# Altium PCB Lower.PcbDoc
Units mil, origin at the board's own origin, x right, y up, seen from the top; angles counter-clockwise.
Board outline 2362.2 x 1771.65 mil, 2 copper layers (Top Layer, Bottom Layer); 61 components, 58 nets, 189 pads, 107 vias.
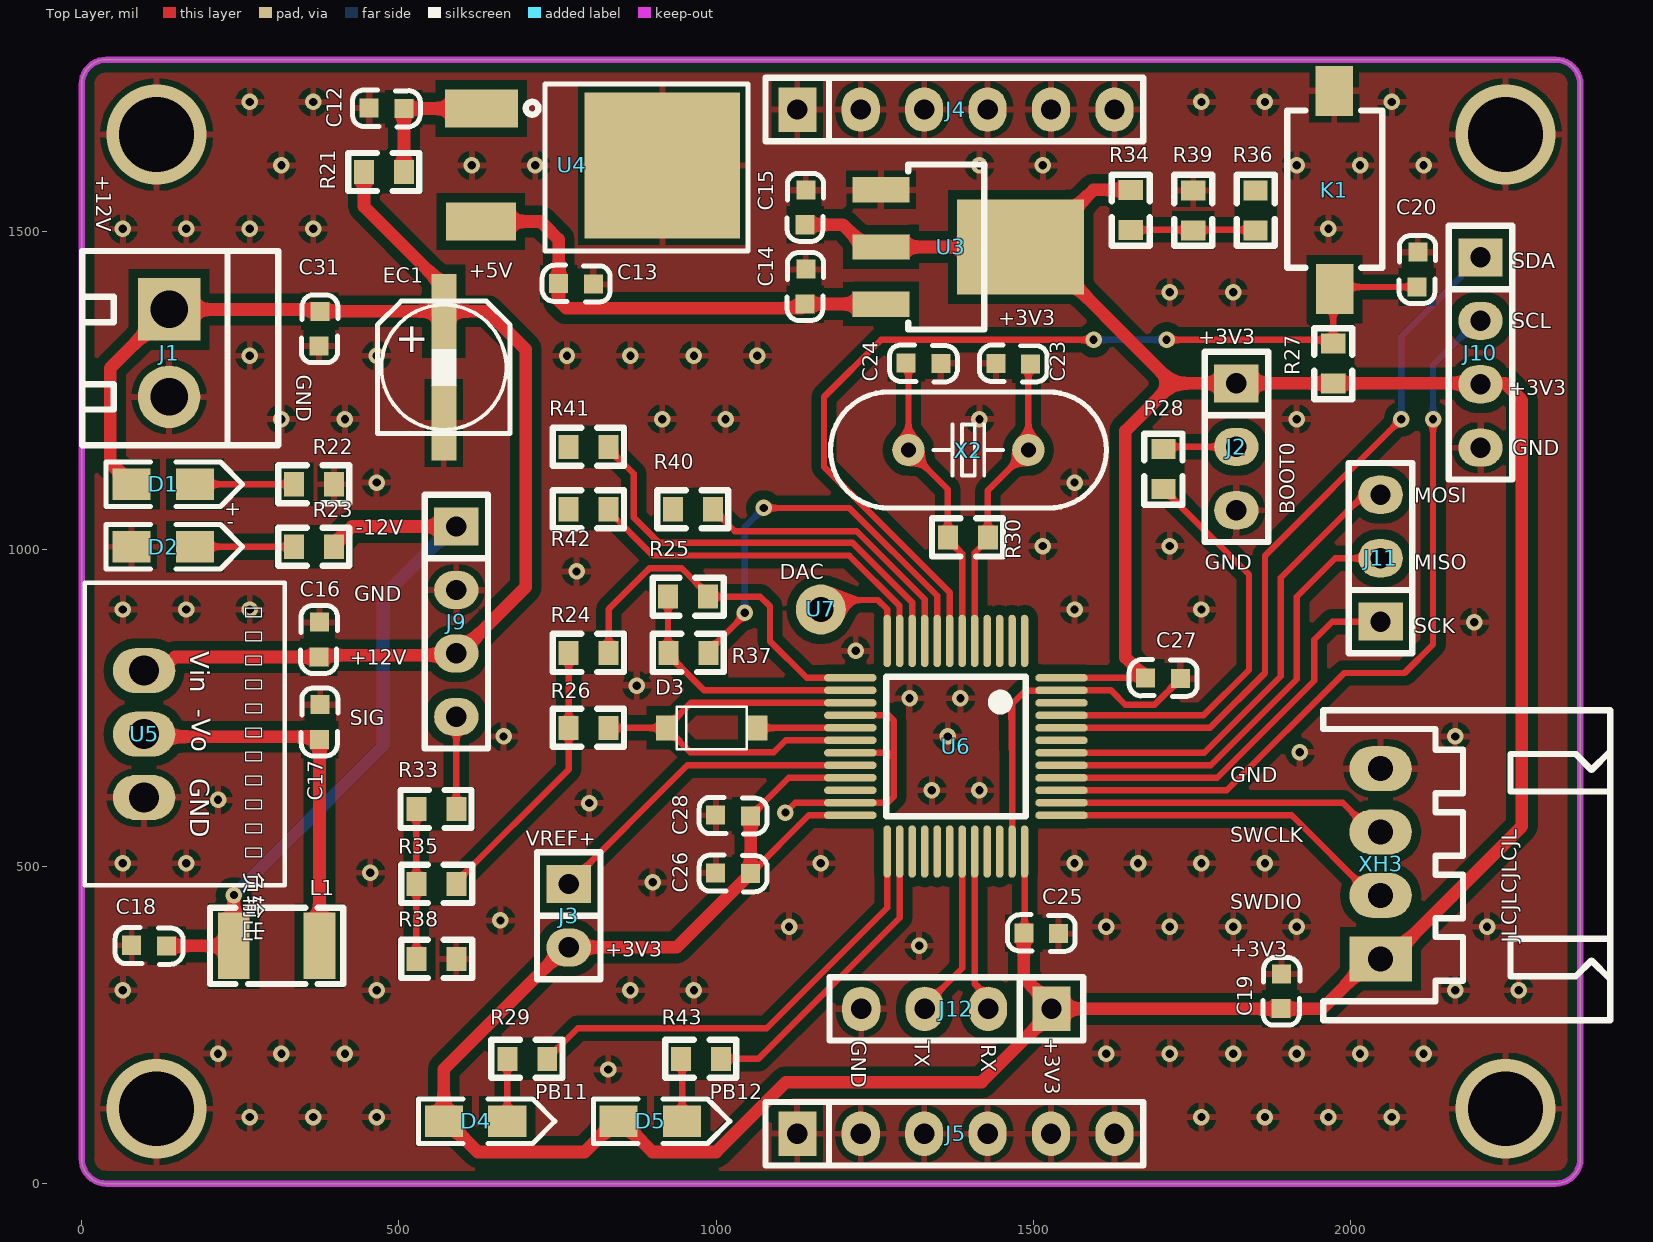
[diagram p0: Top Layer view]
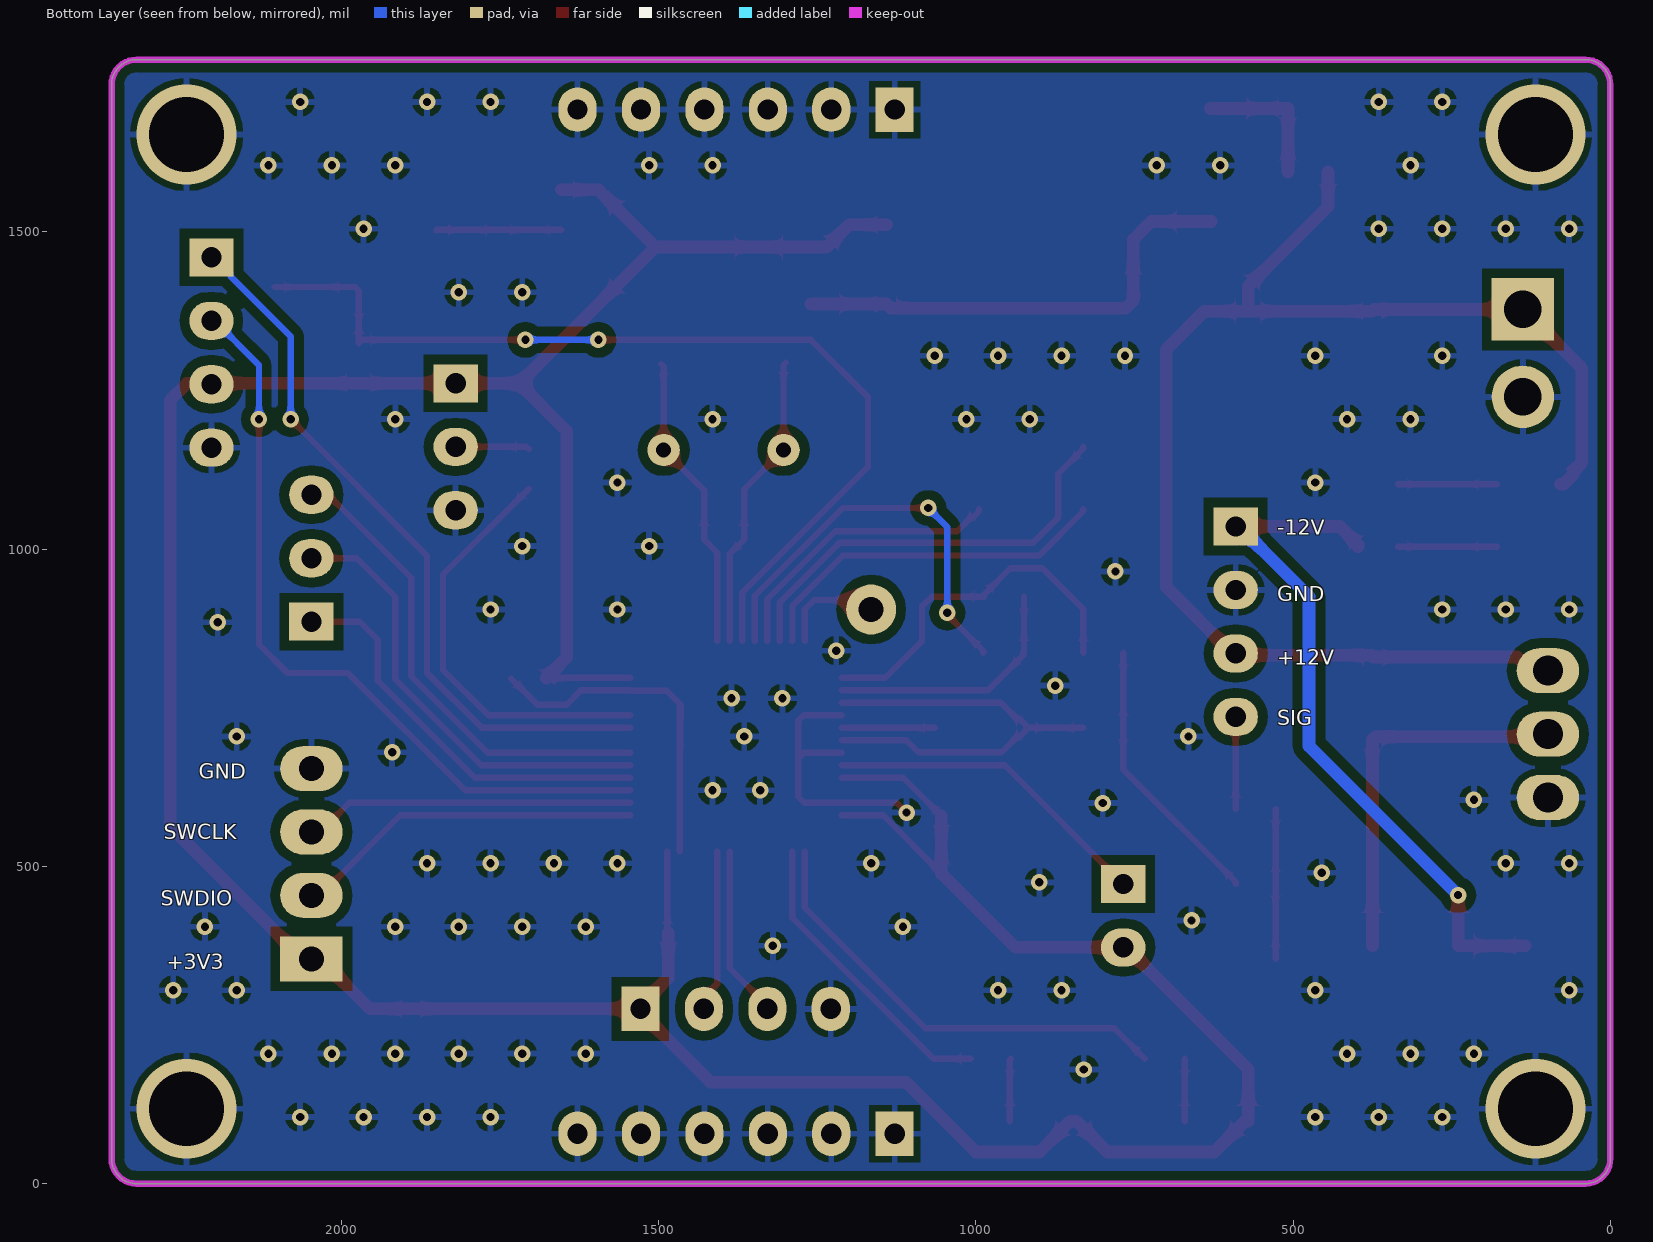
[diagram p1: Bottom Layer view, seen from below]

## Layer stack, top to bottom
Top Solder: solder mask 0.4, Solder Resist, Dk 3.5
Top Layer: signal copper 1.4
Dielectric 1: dielectric 12.6, FR-4, Dk 4.8
Bottom Layer: signal copper 1.4
Bottom Solder: solder mask 0.4, Solder Resist, Dk 3.5

## Board outline
0,39.37 0,1732.28 cw(c39.37,1732.28) 39.37,1771.65 2322.83,1771.65 cw(c2322.83,1732.28) 2362.2,1732.28 2362.2,39.37 cw(c2322.83,39.37) 2322.83,0 39.37,0 cw(c39.37,39.37)

## Design rules (kind name [scope] priority, off if disabled: settings)
Clearance Clearance_1 [All] p1: gap=15 ignorepadtopadclearanceinfootprint=TRUE except(0: Arc-Hole Track-Hole SMDPad-Hole THPad-Hole Via-Hole Fill-Hole Poly-Hole Region-Hole Text-Hole; 3.5: Arc-Arc Arc-Track Arc-SMDPad Arc-THPad Arc-Via Track-Track Track-SMDPad Track-THPad Track-Via; 10: Arc-Text Track-Text SMDPad-SMDPad SMDPad-THPad SMDPad-Via SMDPad-Text THPad-THPad THPad-Via THPad-Text Via-Via Via-Text Fill-Text Poly-Text Region-Text Text-Text)
Clearance [InComponent('U6')] p2: gap=3.5 ignorepadtopadclearanceinfootprint=TRUE
HoleSize [All] p1: absolutevalues=TRUE maxlimit=1181.1 minlimit=1 maxpercent=80.000 minpercent=20.000
PolygonConnect [All] p1: connectstyle=Relief reliefconductorwidth=10 reliefentries=4 polygonreliefangle="90 Angle" airgapwidth=10
RoutingVias [All] p1: holewidth=28 width=50 viastyle="Through Hole" minholewidth=11.81 minwidth=19.68 maxholewidth=1181.1 maxwidth=1968.5
SilkToSilkClearance [All] p1: silktosilkclearance=0
SilkToSolderMaskClearance [IsPad] p1: minsilkscreentomaskgap=0 clearancetoexposedcopper=TRUE
SolderMaskExpansion [All] p1: expansion=4 istentingtop=FALSE
Width [All] p1: maxlimit=100 minlimit=3 preferedwidth=10
27 further rules are at their usual default settings.

## Components (designator, comment, footprint, x,y, rotation, side; value= is the part's Value field where it differs from the comment)
C12 "0.33uF" 0603C 452.76,1695.91 r0 top
C13 "0.1uF" 0603C 807.09,1417.32 r180 top
C14 "10uF" 0603C 1141.73,1441.59 r270 top
C15 "10uF" 0603C 1141.73,1566.59 r270 top
C16 "10uF/50V" 0603C 375.35,885.21 r270 top
C17 "22uF/25V" 0603C 376.35,755.21 r270 top
C18 "22uF/25V" 0603C 78.74,376.16 r0 top
C19 "0.1uF" 0603C 1889.76,275.59 r90 top
C20 "1uF" 0603C 2106.3,1468.5 r270 top
C23 "22pF" 0603C 1496.06,1291.34 r180 top
C24 "22pF" 0603C 1299.21,1294.05 r0 top
C25 "1uF" 0603C 1540.21,393.7 r180 top
C26 "1uF" 0603C 999.2,490.35 r0 top
C27 "1uF" 0603C 1732.28,795.72 r180 top
C28 "1uF" 0603C 999.2,581.16 r0 top
C31 "0.1uF" 0603C 374.02,1319.79 r90 top
D1 "LEDR/0805" LED-0805R 78.74,1102.36 r0 top
D2 "LEDR/0805" LED-0805R 78.74,1003.94 r0 top
D3 "1N4148" SOD-123 1062.99,718.5 r180 top
D4 "LEDY/0805" LED-0805B 570.87,98.43 r0 top
D5 "LEDY/0805" LED-0805G 846.46,98.43 r0 top
EC1 "47uF" SMD-EC5.0X5.3X5.4 570.87,1375 r270 top
J1 "KF350-2P" KF350-2P 137.8,1377.95 r270 top locked
J2 "BOOT" "Pin HDR1X3/2.54mm-S" 1820,1261.42 r0 top
J3 "VREF" "Pin HDR1X2/2.54mm-S" 767.72,472.44 r0 top
J4 "Pin HDR1X6" "Pin HDR1X6/2.54mm-S" 1127.95,1692.91 r90 top locked
J5 "Pin HDR1X6" "Pin HDR1X6/2.54mm-S" 1127.95,78.74 r90 top locked
J9 "Pin HDR1X4" "Pin HDR1X4/2.54mm-S" 590.55,1035.83 r0 top locked
J10 "IIC_OLED" Fe-HDR1X4/2.54-S 2204.72,1460 r0 top
J11 "SPI" "Pin HDR1X3/2.54mm-S" 2047.24,885.83 r180 top
J12 "USART" Fe-HDR1X4/2.54-S 1528.74,275.59 r270 top
K1 "KEY" SMD-3X6X2.5 1975,1720 r270 top
L1 "INDUCTOR" 1210L 375.35,374.02 r180 top
R21 "30R" 0603R 444.98,1594.49 r0 top
R22 "20K" 0603R 334.65,1102.36 r0 top
R23 "20K" 0603R 334.65,1003.94 r0 top
R24 "75K" 0603R 767.72,836.61 r0 top
R25 "75K" 0603R 987.2,925.2 r180 top
R26 "75K" 0603R 767.72,718.5 r0 top
R27 "10K" 0603R 1972.59,1261.42 r90 top
R28 "10K" 0603R 1705,1095 r90 top
R29 "510R" 0603R 670.87,196.85 r0 top
R30 "1M" 0603R 1365.28,1018.58 r0 top
R33 "9K" 0603R 527.56,590.55 r0 top
R34 "1K" 0603R 1653.54,1503.39 r90 top
R35 "0R" 0603R 590.55,472.44 r180 top
R36 "0R" 0603R 1850.39,1565.39 r270 top
R37 "0R" 0603R 925.2,836.61 r0 top
R38 "1K" 0603R 590.55,354.33 r180 top
R39 "1K" 0603R 1751.97,1565.39 r270 top
R40 "0R" 0603R 932.01,1062.99 r0 top
R41 "0R" 0603R 767.72,1161.42 r0 top
R42 "0R" 0603R 767.72,1062.99 r0 top
R43 "510R" 0603R 944.88,196.85 r0 top
U3 "AMS1117" SOT223 1259.84,1476.38 r270 top
U4 "LM7805" TO252 630,1690 r270 top
U5 "K78xx-500R3  负输出" "K78xx-500R3 负输出" 98.43,708.66 r270 top locked
U6 "STM32G431CBT6" "LQFP48 7X7" 1377.95,688.98 r180 top
U7 "DAC" 通孔焊盘 1165,905 r0 top
X2 "8M" "OSC HC-49S" 1397.64,1156.38 r0 top
XH3 "SW" XH4/2.54mm/90 2047.24,354.33 r90 top

## Footprints (in the part's own frame and the unit in brackets; to place one, negate y for a bottom-side part, rotate by r counter-clockwise, add the part's x,y. Pads: shape width x height; smd on the part's side, far side on the other; paste and mask are expansions set on the pad)
0603C [mil]
  rect 30x30 smd: 1(0.21,-0.35) 2(55.21,-1.35)
  silkscreen extent -26,-30 81,28, body extent -1,-15 62,17, height 12
0603R [mm]
  rect 0.8x0.965 smd: 1(0,0) 2(1.6,0)
  silkscreen extent -0.64,-0.76 2.21,0.76, body extent -0.04,-0.41 1.56,0.41, height 0.45
1210L [mil] "小功率贴片电感"
  rect 50x105 smd: 1(0.49,-0.79) 2(135.49,-0.79)
  silkscreen extent -37,-61 173,59, body extent 0,-49 126,49, height 51
Fe-HDR1X4/2.54-S [mil]
  rect 70x60 hole 32: 1(0,0)
  oval 70x60 hole 32: 2(0,-100) 3(0,-200) 4(0,-300)
  silkscreen extent -50,-350 50,50, body extent -44,-355 54,55, height 335
"K78xx-500R3 负输出" [mm]
  oval 1.8x2.5 hole 1.2: 1(-2.54,0) 2(0,0) 3(2.54,0)
  silkscreen extent -6.05,-2.37 6.05,5.63, body extent -5.76,-2.25 5.84,5.3, height 10.16
KF350-2P [mm] "可拼接端子/10A"
  rect 2.5x2.5 hole 1.5: 1(0,0)
  round 2.5 hole 1.5: 2(3.5,0)
  silkscreen extent -2.34,-3.48 5.44,4.37, body extent -2.15,-3.34 5.25,4.16, height 10
LED-0805B [mil]
  rect 60x50 smd: A(0,0) K(100,0)
  silkscreen extent -40,-35 175,35, body extent 10,-25 89,25, height 32
LED-0805G [mil]
  rect 60x50 smd: A(0,0) K(100,0)
  silkscreen extent -40,-35 175,35, body extent 11,-24 89,25, height 32
LED-0805R [mil]
  rect 60x50 smd: A(0,0) K(100,0)
  silkscreen extent -40,-35 175,35, body extent 11,-24 89,25, height 32
"LQFP48 7X7" [mm]
  oval 0.3x2.1 smd: 1(-2.75,-4.227) 2(-2.25,-4.227) 3(-1.75,-4.227) 4(-1.25,-4.227) 5(-0.75,-4.227) 6(-0.25,-4.227) 7(0.25,-4.227) 8(0.75,-4.227) 9(1.25,-4.227) 10(1.75,-4.227) 11(2.25,-4.227) 12(2.75,-4.227) 25(2.75,4.202) 26(2.25,4.202) 27(1.75,4.202) 28(1.25,4.202) 29(0.75,4.202) 30(0.25,4.202) 31(-0.25,4.202) 32(-0.75,4.202) 33(-1.25,4.202) 34(-1.75,4.202) 35(-2.25,4.202) 36(-2.75,4.202)
  oval 2.1x0.3 smd: 13(4.227,-2.75) 14(4.227,-2.25) 15(4.227,-1.75) 16(4.227,-1.25) 17(4.227,-0.75) 18(4.227,-0.25) 19(4.227,0.25) 20(4.227,0.75) 21(4.227,1.25) 22(4.227,1.75) 23(4.227,2.25) 24(4.227,2.75) 37(-4.227,2.75) 38(-4.227,2.25) 39(-4.227,1.75) 40(-4.227,1.25) 41(-4.227,0.75) 42(-4.227,0.25) 43(-4.227,-0.25) 44(-4.227,-0.75) 45(-4.227,-1.25) 46(-4.227,-1.75) 47(-4.227,-2.25) 48(-4.227,-2.75)
  silkscreen extent -2.79,-2.79 2.79,2.79, body extent -4.51,-4.5 4.5,4.5, height 1.45
"OSC HC-49S" [mm]
  round 1.3 hole 0.6: 1(-2.4,0) 2(2.4,0)
  silkscreen extent -5.52,-2.32 5.52,2.33, body extent -5.53,-2.29 5.53,2.36, height 4.13
"Pin HDR1X2/2.54mm-S" [mil]
  rect 70x60 hole 32: 1(0,0)
  oval 70x60 hole 32: 2(0,-100)
  silkscreen extent -50,-150 50,50, body extent -50,-150 50,50, height 336
"Pin HDR1X3/2.54mm-S" [mil]
  rect 70x60 hole 32: 1(0,0)
  oval 70x60 hole 32: 2(0,-100) 3(0,-200)
  silkscreen extent -50,-250 50,50, body extent -50,-250 50,50, height 336
"Pin HDR1X4/2.54mm-S" [mil]
  rect 70x60 hole 32: 1(0,0)
  oval 70x60 hole 32: 2(0,-100) 3(0,-200) 4(0,-300)
  silkscreen extent -50,-350 50,50, body extent -50,-350 50,50, height 336
"Pin HDR1X6/2.54mm-S" [mil]
  rect 70x60 hole 32: 1(0,0)
  oval 70x60 hole 32: 2(0,-100) 3(0,-200) 4(0,-300) 5(0,-400) 6(0,-500)
  silkscreen extent -50,-545 50,50, body extent -50,-545 50,55, height 336
SMD-3X6X2.5 [mm]
  rect 2x1.5 smd: 1(-0.059,-0.02) 3(7.874,0)
  silkscreen extent 0.73,-1.9 7.03,1.9, body extent -0.19,-1.78 7.81,1.72, height 2.59
SMD-EC5.0X5.3X5.4 [mm]
  rect 3x1 smd: 1(0,0) 2(4.477,0)
  silkscreen extent -0.41,-2.65 4.89,2.66, body extent -0.79,-2.65 5.11,2.65, height 5.41
SOD-123 [mm] "塑封二极管"
  rect 0.8x1 smd: A(-0.051,0) K(3.607,0)
  silkscreen extent 0.38,-0.85 3.18,0.85, body extent -0.12,-0.89 3.73,0.81, height 1.43
SOT223 [mil]
  rect 40x90 smd: 1(-90,0) 2(0,0) 3(90,0)
  rect 150x200 smd: 2(0,220)
  silkscreen extent -130,43 130,163, body extent -130,-30 126,246, height 65
TO252 [mil] "252晶体管"
  rect 60x115 smd: 1(-4.55,0.23)
  rect 230x245 smd: 2(85,285.35)
  rect 60x110 smd: 3(173.45,-0.77)
  silkscreen extent -43,70 220,420, body extent -41,5 215,375, height 91
XH4/2.54mm/90 [mm]
  rect 1.8x2.5 hole 1: 1(0,0)
  oval 1.8x2.5 hole 1: 2(2.54,0) 3(5.08,0) 4(7.62,0)
  silkscreen extent -2.45,-9.2 9.95,2.3, body extent -2.45,-9.2 9.95,2.3, height 6.1
通孔焊盘 [mm]
  round 2 hole 1: Hole(0,0)

## Part data
C12 C13 C14 C15 C16 C17 C18 C19 C20 C23 C24 C25 C26 C27 C28 C31: library part CAP, "无极性电容"
D1 D2 D4 D5: library part LED
D3: library part DIODE, "普通二极管"
EC1: library part SMD_ECAP, "贴片电解电容"
J2 J11: library part "Pin HDR1X3"
J3: library part "Pin HDR1X2"
J10 J12: library part "Female HDR1X4"
R21 R22 R23 R24 R25 R26 R27 R28 R29 R30 R33 R34 R35 R36 R37 R38 R39 R40 R41 R42 R43: library part RES
U3: "三端稳压芯片"
U7: library part 过孔焊盘
X2: library part XTAL-2P, "2脚无源脚晶振"
XH3: library part XH4

## Via types
v1: diameter 26, hole 13, Top Layer to Bottom Layer, 103 vias
v2: diameter 157.48, hole 118.11, Top Layer to Bottom Layer, 4 vias

## Nets (pads, with @x,y where several pads share a name; then routed paths per layer and width w, separated by ;. In a path a pad name is that pad's centre, name@x,y a point inside that pad or via, vN(x,y) a via of type N, cw(c..) or ccw(c..) an arc to the next point about the centre after c; other vN are vias at no path point)
+3V3: C15.2 C19.1 C25.2 C26.2 C27.2 C28.2 D4.A D5.A J2.1 J3.2 J10.3 J12.1 R27.1 R34.2 U3.2 U6.21 U6.24 U6.36 U6.48 XH3.1 | length 6159.5
  Top Layer w10: C26.2 1146.12,580.71 U6.24 U6.24@1211.88,581.06 ; C28.2 1114.37,639.76 U6.21 ; C25.2@1486.22,395.06 U6.36 ; U6.48 C27.2@1676.9,797.24
  Top Layer w20: C28.2 C26.2 937.85,372.44 J3.2 762.72,372.44 570.87,180.59 D4.A 575.87,98.43 624.29,50 793.03,50 841.46,98.43 D5.A 851.46,98.43 899.88,50 1000,50 1110,160 1418.15,160 1528.74,270.59 J12.1 ; C15.2 1199.84,1511.38 1234.84,1476.38 1259.84,1476.38 1479.84,1476.38 U3.2@1504.84,1476.38 ; C25.2 1485,324.33 1528.74,280.59 J12.1 ; R34.2 1594.84,1566.38 U3.2@1504.84,1476.38 ; C27.2 1676.9,797.24 1645,829.14 1645,1186.61 1719.8,1261.42 ; U3.2@1504.84,1476.38 1719.8,1261.42 ; J12.1 1894,275.59 1954.72,275.59 2033.46,354.33 XH3.1 2061.02,354.33 2270,563.31 2270,1235 2243.58,1261.42 2204.72,1261.42 R27.1 J2.1 1719.8,1261.42
  Bottom Layer w20: XH3.1 XH3.1@2061.02,354.33
+5V: C13.2 C14.2 U3.3 U4.3 | length 746.3
  Top Layer w20: U4.3 723.45,1516.55 729.97,1510.03 751.87,1488.13 C13.2 751.87,1391.72 763.59,1380 1134,1380 C14.2 U3.3
+12V: C16.2 C31.2 D1.A EC1.1 J1.1 J9.3 R21.1 U5.1 | length 2221.7
  Top Layer w20: D1.A 73.74,1102.36 58.74,1117.36 58.74,1122.36 45,1136.1 45,1285.16 J1.1 372.42,1377.95 C31.2 EC1.1 ; U5.1 125.97,808.66 147.31,830 C16.2 376.91,832.91 587.64,832.91 J9.3 595.55,835.83 700,940.28 700,1315 640,1375 EC1.1 ; R21.1 444.98,1540.26 570.87,1414.37 EC1.1
-12V: C18.2 J9.1 L1.2 R23.2 | length 1123.1
  Top Layer w20: C18.2 L1.2 239.93,374.87 239.93,454.93 v1(240,455) ; R23.2 397.64,1007.18 426.28,1035.83 J9.1
  Bottom Layer w20: v1(240,455) 475,690 475,925.28 585.55,1035.83 J9.1
ADC1_IN2: R40.1
ADC1_IN3: R41.1
ADC1_IN4: R42.1
BOOT0: R28.1 U6.45 | length 666.3
  Top Layer w10: U6.45 1768.19,738.19 1840,810 1840,960 R28.1
BPF_OUT: J9.4 R33.2 | length 145.3
  Top Layer w10: R33.2 J9.4
BV: R36.1
GND: C12.1 C13.1 C14.1 C15.1 C16.1 C17.1 C18.1 C19.2 C20.1 C23.2 C24.2 C25.1 C26.1 C27.1 C28.1 C31.1 D2.A EC1.2 J1.2 J2.3 J4.1 J4.2 J4.3 J4.4 J4.5 J4.6 J5.1 J5.2 J5.3 J5.4 J5.5 J5.6 J9.2 J10.4 J12.4 K1.1 R22.2 R38.1 R39.1 U3.1 U4.2 U5.3 U6.16 U6.19 U6.23 U6.35 U6.47 XH3.4 | length 1075.6
  Top Layer w10: v1(1109.33,585) 1124.53,600.2 1211.34,600.2 U6.23 1270.39,600.39 1280,610 1280,670 ; U6.19 1270.87,679.13 1280,670 ; U6.16 1271.81,738.19 1280,730 1280,670 ; 1465,755 1466.54,658.46 ; U6.35 1466.54,640 ; 1466.77,639.76 1466.54,640 ; C27.1 1691,755 1645,755 1622.44,777.56 U6.47 1544.02,777.21 1487.21,777.21 1466.54,756.54 1466.54,658.46 ; 1466.54,640 1466.54,658.46
  other v1: 265,105 365,105 465,105 1765,105 1865,105 1965,105 2065,105 830,180 215,205 315,205 415,205 1615,205 1715,205 1815,205 1915,205 2015,205 2115,205 65,305 465,305 865,305 965,305 2165,305 2265,305 1320,375 1115,405 1615,405 1715,405 1815,405 1915,405 2215,405 660,415 900,475 455,490 65,505 165,505 1165,505 1565,505 1665,505 1765,505 1865,505 800,600 215,605 1340,620 1415,620 1920,680 665,705 1365,705 2165,705 1305,765 1385,765 875,785 1220,840 2195,885 65,905 165,905 265,905 1565,905 1765,905 780,965 1515,1005 1715,1005 465,1105 1565,1105 315,1205 415,1205 915,1205 1015,1205 1415,1205 1915,1205 265,1305 465,1305 765,1305 865,1305 965,1305 1065,1305 1715,1405 1815,1405 65,1505 165,1505 265,1505 365,1505 1965,1505 315,1605 615,1605 715,1605 1415,1605 1515,1605 1915,1605 2015,1605 2115,1605 265,1705 365,1705 1765,1705 1865,1705 2065,1705
  other v2: 118.11,118.11 2244.09,118.11 118.11,1653.54 2244.09,1653.54
MCUVREF+: J3.1 U6.20 | length 521.3
  Top Layer w10: J3.1 954.72,659.45 U6.20
NetC12_2: C12.2 R21.2 U4.1 | length 222.3
  Top Layer w20: R21.2 C12.2 U4.1
NetC17_2: C17.2 L1.1 U5.2 | length 605.4
  Top Layer w20: U5.2 102.76,704.33 370.67,704.33 C17.2 374.93,699.93 374.93,374.87 L1.1
NetD1_K: D1.K R22.1 | length 155.9
  Top Layer w10: D1.K R22.1
NetD2_K: D2.K R23.1 | length 155.9
  Top Layer w10: D2.K R23.1
NetD4_K: D4.K R29.1 | length 98.4
  Top Layer w10: D4.K R29.1
NetD5_K: D5.K R43.1 | length 99.1
  Top Layer w10: R43.1 946.46,195.28 D5.K
NetJ2_2: J2.2 R28.2 | length 116.4
  Top Layer w10: R28.2 1708.43,1161.42 J2.2
NetR33_1: R33.1 R35.2 R38.2 | length 236.2
  Top Layer w10: R38.2 R33.1
NetR34_1: R34.1 R36.2 R39.2 | length 197.3
  Top Layer w10: R34.1 1849.4,1503.39 R36.2
OSC_IN: C23.1 R30.2 U6.5 X2.2 | length 472.9
  Top Layer w10: U6.5 1407.48,994.55 1428.27,1015.33 R30.2 1428.27,1092.52 X2.2 1492.13,1287.97 C23.1
OSC_OUT: C24.1 R30.1 U6.6 X2.1 | length 474.9
  Top Layer w10: C24.1 1303.15,1289.97 X2.1 1365.28,1094.25 R30.1 1365.28,1015.33 1387.8,992.81 U6.6
PA0: R37.2 U6.8 | length 666.8
  Top Layer w10: R37.2 988.19,839.86 1045,896.67 v1(1045,900) ; v1(1075,1065) 1210,1065 1348.43,926.57 U6.8 U6.8@1348.77,855.05
  Bottom Layer w10: v1(1045,900) 1045,1035 v1(1075,1065)
PA1: R40.2 U6.9 | length 460.2
  Top Layer w10: R40.2 995,1059.74 1005.75,1049 1009,1049 1029.49,1028.5 1221.5,1028.5 1328.74,921.26 U6.9
PA2: R41.2 U6.10 | length 682.8
  Top Layer w10: R41.2 830.71,1158.17 870,1118.88 870,1050 910,1010 1215,1010 1309.06,915.94 U6.10
PA3: R42.2 U6.11 | length 578.9
  Top Layer w10: R42.2 830.71,1059.74 900.45,990 1210,990 1289.02,910.98 1289.02,855.74 U6.11
PA4: U6.12 U7.Hole | length 166.9
  Top Layer w10: U7.Hole 1180,920 1255,920 1269.69,905.31 U6.12
PA5: R24.2 R25.1 U6.13 | length 582.2
  Top Layer w10: R24.2 830.71,905.71 895,970 945.64,970 987.2,928.44 R25.1 1069.8,925.2 1085,910 1085,855 1142.76,797.24 U6.13
PA6: R25.2 R37.1 U6.14 | length 401.7
  Top Layer w10: R25.2 924.2,837.61 R37.1 925.2,833.37 981,777.56 U6.14
PA7: D3.K R26.2 U6.15 U6.18 | length 716
  Top Layer w10: R26.2 D3.K ; U6.18 1109.54,698.82 1090.72,680 959.5,680 935.68,703.82 931.74,703.82 920.99,714.57 D3.K ; U6.15 960.36,757.87 935.68,733.19 931.74,733.19 920.99,722.44 D3.K
PA8: U6.30
PA9: J12.3 U6.31 | length 272.4
  Top Layer w10: J12.3 1328.74,280.59 1387.8,339.65 U6.31
PA10: J12.2 U6.32 | length 256.8
  Top Layer w10: U6.32 1407.48,315.38 1428.74,294.12 J12.2
PA11: U6.33
PA12: U6.34
PA15: J10.2 U6.39 | length 1224.7
  Top Layer w10: U6.39 1805.08,620.08 1990,805 2085,805 2130,850 v1(2130,1205)
  Bottom Layer w10: v1(2130,1205) 2130,1290.28 2199.72,1360 J10.2
PB1: D3.A U6.17 | length 146.5
  Top Layer w10: D3.A U6.17
PB3: J11.1 U6.40 | length 642.9
  Top Layer w10: U6.40 1789.76,639.76 1942.5,792.5 1942.5,857.5 1970.83,885.83 J11.1
PB4: J11.2 U6.41 | length 714.2
  Top Layer w10: U6.41 1779.45,659.45 1915,795 1915,925 1975.83,985.83 J11.2
PB5: J11.3 U6.42 | length 762.1
  Top Layer w10: U6.42 1769.13,679.13 1890,800 1890,955 2020.83,1085.83 J11.3
PB6: U6.43
PB7: J10.1 U6.44 | length 1155.1
  Top Layer w10: U6.44 1778.5,718.5 1865,805 1865,990 v1(2080,1205)
  Bottom Layer w10: v1(2080,1205) 2080,1335.28 2174.72,1430 2174.72,1435 2199.72,1460 J10.1
PB9: U6.46
PB10: U6.22
PB11: R29.2 U6.25 | length 723.2
  Top Layer w10: R29.2 782.01,245 1080,245 1269.69,434.69 U6.25
PB12: R43.2 U6.26 | length 477.9
  Top Layer w10: R43.2 1066.85,196.85 1289.37,419.37 U6.26
PB13: U6.27
PB14: U6.28
PB15: U6.29
PC13: U6.2
PC14: U6.3
PC15: U6.4
RESET: C20.2 K1.3 R27.2 U6.7 | length 1526.7
  Top Layer w10: U6.7 1368.11,931.89 1170,1130 1170,1240 1260,1330 v1(1595,1330) ; v1(1710,1330) 1967,1330 R27.2 1972.59,1407.59 K1.3 1978.29,1413.29 C20.2
  Bottom Layer w10: v1(1595,1330) v1(1710,1330)
SPR_IN: R24.1 R26.1 R35.1 | length 437.6
  Top Layer w10: R35.1 590.55,475.69 767.72,652.85 R26.1 R24.1
SWCLK: U6.38 XH3.3 | length 522
  Top Layer w10: U6.38 1987.4,600.39 2033.46,554.33 XH3.3
SWDIO: U6.37 XH3.2 | length 555.2
  Top Layer w10: U6.37 1907.09,580.71 2033.46,454.33 XH3.2
VBAT: U6.1

## Polygon pours and split planes (outlines as drawn)
GND on Bottom Layer "GND_L02_P001" (solid, pour order 1): 0,39.37 0,1732.28 cw(c39.37,1732.28) 39.37,1771.65 2322.83,1771.65 cw(c2322.83,1732.28) 2362.2,1732.28 2362.2,39.37 cw(c2322.83,39.37) 2322.83,0 39.37,0 cw(c39.37,39.37)
GND on Top Layer "GND_L01_P000" (solid, pour order 0): 0,39.37 0,1732.28 cw(c39.37,1732.28) 39.37,1771.65 2322.83,1771.65 cw(c2322.83,1732.28) 2362.2,1732.28 2362.2,39.37 cw(c2322.83,39.37) 2322.83,0 39.37,0 cw(c39.37,39.37)

## Keep-outs
Keep-Out Layer:
  the board outline again, w10

## Silkscreen, mask and mechanical layers (free items; w line width, h text height)
Top Overlay:
  text "+12V" at 15,1590 h40 r270
  text "SDA" at 2255,1435 h40
  text "+5V" at 610,1420 h40
  text "+3V3" at 1445,1345 h40
  text "SCL" at 2255,1340 h40
  text "+3V3" at 1760,1315 h40
  text "GND" at 330,1275 h40 r270
  text "+3V3" at 2250,1235 h40
  text "GND" at 2255,1140 h40
  text "MOSI" at 2100,1065 h40
  text "BOOT0" at 1920,1055 h40 r90
  text "+" at 225,1045 h40
  text "-" at 228.99,1024.46 h40
  text "-12V" at 432.4,1015 h40
  text "GND" at 1770,960 h40
  text "MISO" at 2100,960 h40
  text "DAC" at 1100,945 h40
  text "GND" at 430,910 h40
  text "SCK" at 2100,860 h40
  text "+12V" at 422.9,810 h40
  text "SIG" at 422.9,715 h40
  text "GND" at 1810,625 h40
  text "SWCLK" at 1810,530 h40
  text "VREF+" at 700,525 h40
  text "SWDIO" at 1810,425 h40
  text "JLCJLCJLCJL" at 2270,380 h40 r90
  text "+3V3" at 825,350 h40
  text "+3V3" at 1810,350 h40
  text "+3V3" at 1510,230 h40 r270
  text "GND" at 1205,225 h40 r270
  text "TX" at 1305,225 h40 r270
  text "RX" at 1410,220 h40 r270
  text "PB11" at 715,125 h40
  text "PB12" at 990,125 h40
Bottom Overlay:
  text "-12V" at 525,1015 h40
  text "GND" at 525,910 h40
  text "+12V" at 525,810 h40
  text "SIG" at 525,715 h40
  text "GND" at 2225,630 h40
  text "SWCLK" at 2280,535 h40
  text "SWDIO" at 2285,430 h40
  text "+3V3" at 2275,330 h40

## Text inside footprints (layer, text, board x,y; h text height)
EC1: Top Overlay "+" at 500.91,1357.49 h47.24 r270
U5: Top Overlay "GND" at 170.94,638.66 h30 r270; Top Overlay "Vin" at 170.94,839.45 h30 r270; Top Overlay "-Vo" at 173.43,748.66 h30 r270; Top Overlay "K78xx-500R3 负输出" at 248.43,918.66 h47.24 r270